# Allegro board A523-EVB-AXP717C-LPDDR4-4X-32X1-V1-0.brd (continued)
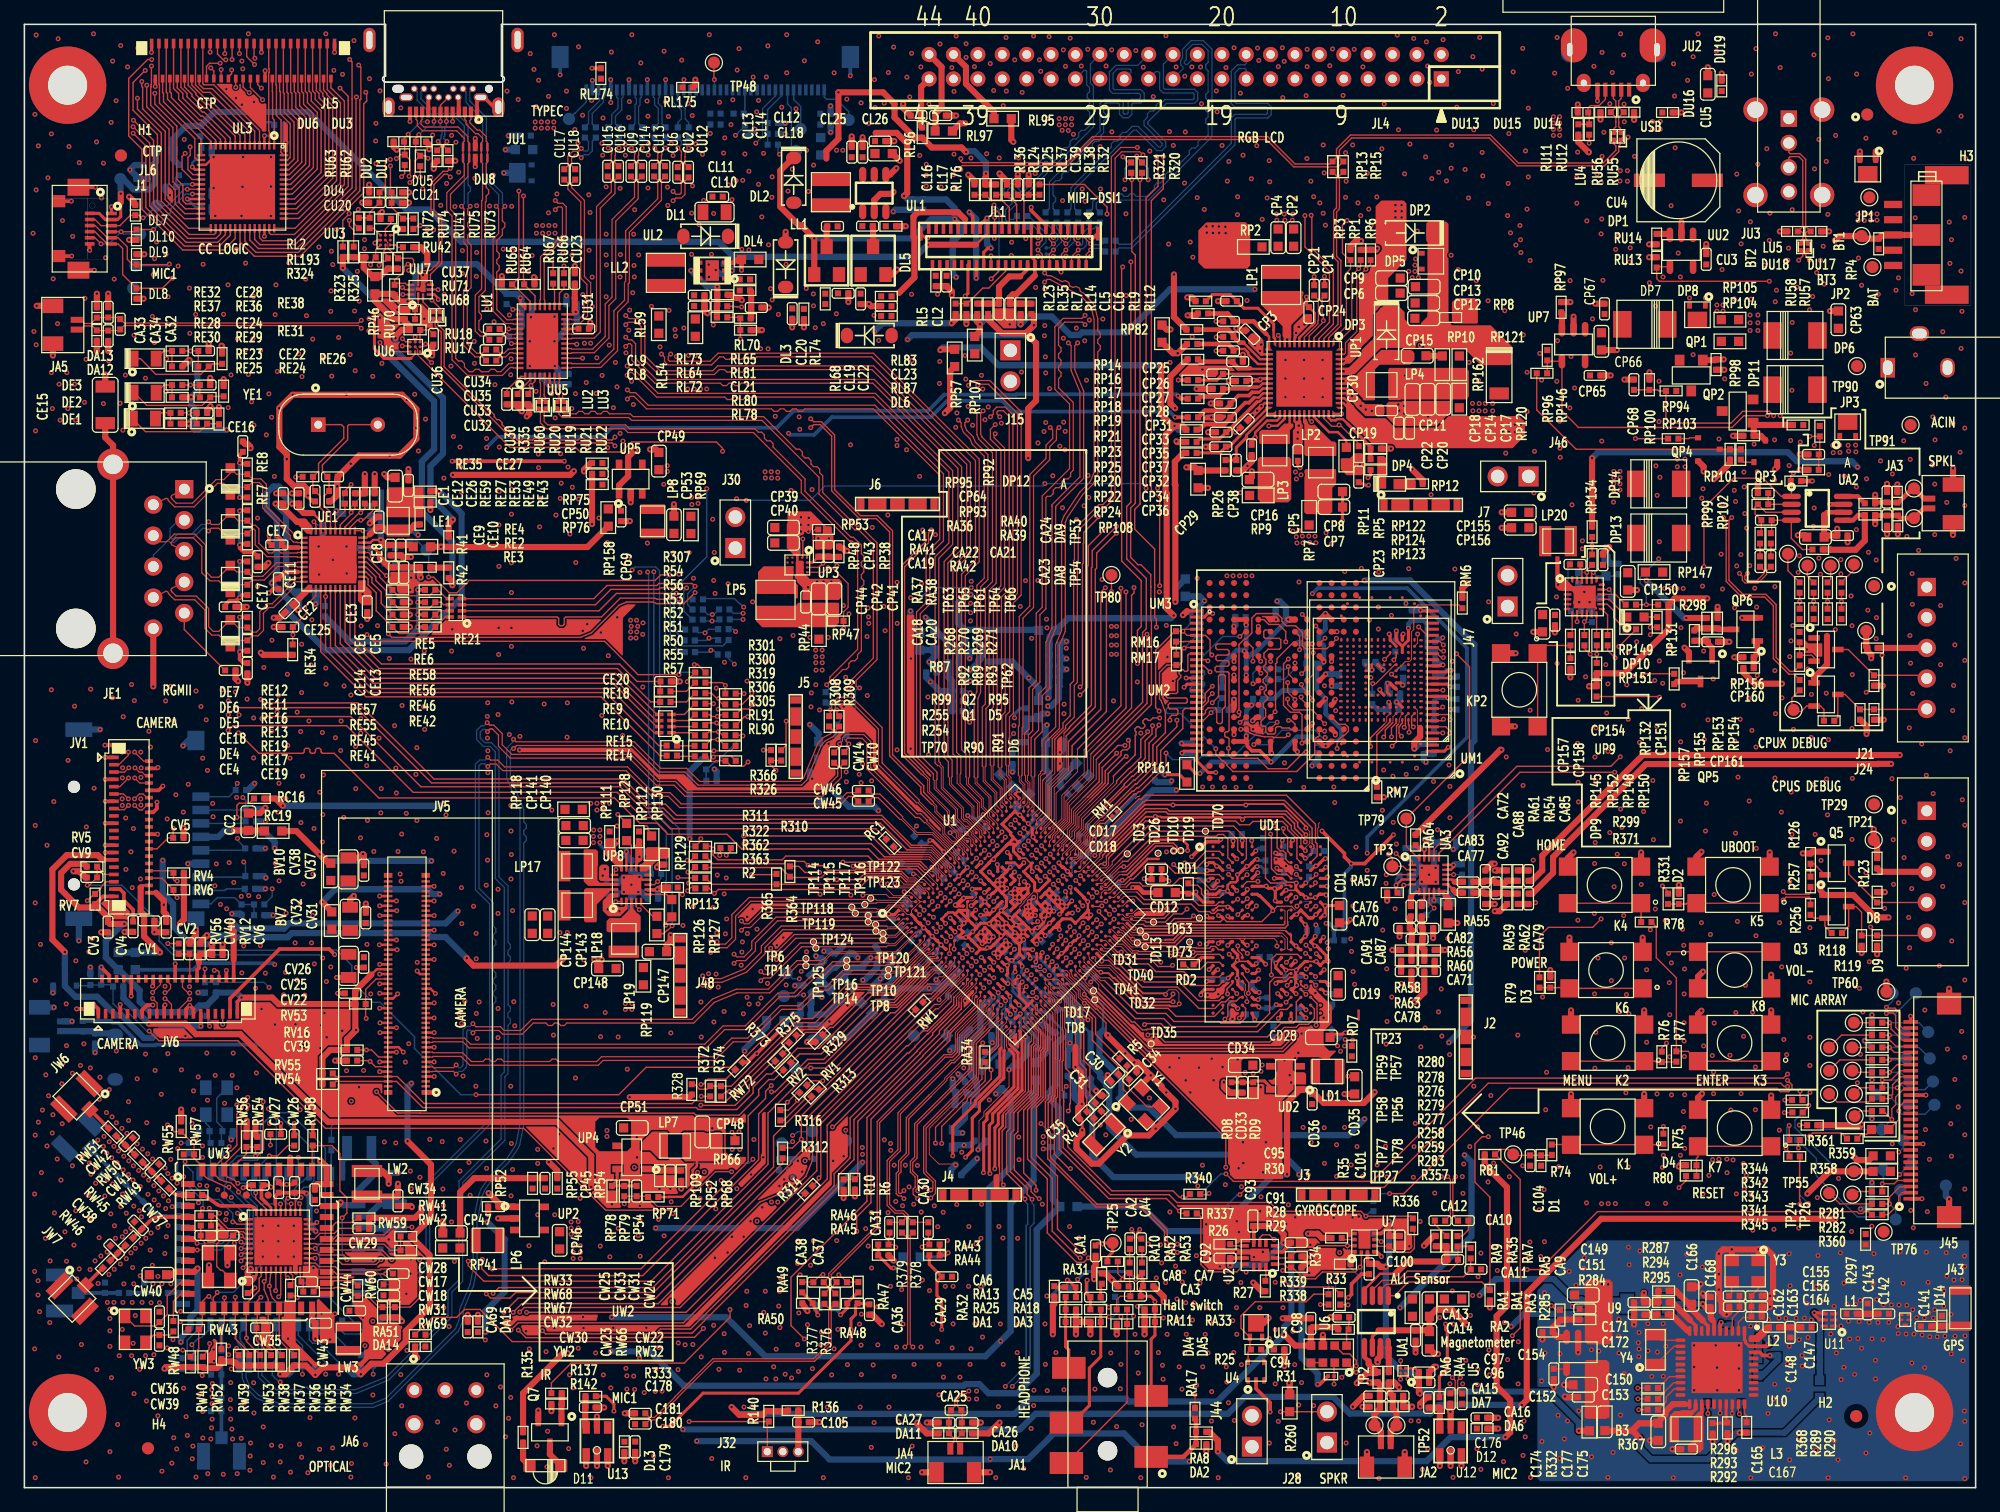
[diagram p0: board, top side]
## Routing (per net, layer and track width the routed paths; a pad name or vN(x,y) marks a point on that pad's centre or on a via; arc(x,y) is an arc through that point) (continued)
  L4 w0.508: v1(102.04,87.07) 100.66,87.07 99.72,86.13 v1(99.72,81.59)
  BOTTOM w0.076: 104.9,48.06 105.35,48.06 ; 100.41,50.6 100.03,50.6 ; 104.47,49.94 103.89,49.94 ; 98.98,50.62 98.87,50.62 98.87,50.62 98.61,50.62 98.61,50.62 98.48,50.62 ; 106.17,41.58 105.58,41.58 ; 104.75,40.77 105.36,40.77 ; 104.04,50.62 104.57,50.62 ; 100.86,50.09 101.38,50.09 ; 105.63,40.88 106.15,40.88
  BOTTOM w0.254: CD13.1 96.05,48.84 v1(96.06,48.85) ; v1(105.03,45.21) 105.17,45.35 CD2.1 105.17,46.04 v1(105.03,46.18) ; v1(102.62,43) 102.13,43.49 CD7.1 ; v1(102.52,49.12) 102.95,49.56 CD5.1 ; CD4.1 99.93,38.82 v1(99.62,38.51)
  vias: v1(96.61,57.45) v1(97.42,57.45) v1(98.41,57.43) v1(98.6,74.78) v1(99.11,74.78) v1(99.35,57.43) v1(99.64,74.78) v1(100.15,74.78) v1(100.55,57.45) v1(100.66,74.78)
DCICLK: length 52.6
  TOP w0.114: R365.2 61.61,50.27 v1(59.62,50.27) ; v1(45.29,93.77) 45.17,93.77 45.12,93.82 UU5.14
  L4 w0.114: v1(45.29,93.77) 45.22,93.7 45.22,90.72 49.61,86.33 49.61,84.82 50.19,84.25 50.19,77.57 51.99,75.76 52,75.76 52,61.08 59.62,53.46 v1(59.62,50.27)
DCIDATA: length 55.2
  TOP w0.114: v1(65.2,50.44) 64.01,50.44 63.5,50.95 R364.2 ; v1(45.77,92.62) UU5.11
  L4 w0.114: v1(65.2,50.44) 65.14,50.44 64.94,50.65 64.06,50.65 55.42,59.28 55.42,67.51 52.46,70.48 52.46,77.06 52.9,77.5 52.9,80.83 50.67,83.06 50.67,86.72 45.8,91.59 45.8,92.6 v1(45.77,92.62)
DCXO-XIN: length 12.4
  TOP w0.076: 86.79,39.18 86.75,39.18 86.09,39.83 86.09,40.17 86.09,40.36 85.22,41.23 85.22,41.58 U1.AH13
  TOP w0.102: Y1.1 90.41,32.38 90.09,32.69 90.09,33.32 89.7,33.72 C30.1
  TOP w0.114: 86.79,39.18 86.87,39.18 87.55,38.49 87.55,36.7 89.7,34.55 C30.1
DCXO-XOUT: length 8.1
  TOP w0.076: 87.12,39.24 87.01,39.35 86.78,39.35 86.25,39.89 86.25,40.56 U1.AJ13
  TOP w0.114: R5.1 87.83,37.17 87.83,38.53 87.12,39.24
DDR-PARA-SEL-ADC: length 25.7
  TOP w0.102: U1.W3 78.4,41.26 78.63,41.03 78.63,41.02 v1(78.66,40.98)
  L4 w0.076: v1(78.66,40.98) 77.69,40 77.69,39.23 76.35,37.9
  L4 w0.114: 76.35,37.9 76.35,37.82 68.12,29.58 68.12,29.02 67.16,28.07 63.3,28.07 v1(62.99,28.38)
  BOTTOM w0.114: v1(62.99,28.38) 62.86,28.24 TP45.1 61.88,28.03 R12.1 R8.2
DDR-PARA-SEL-GPIO: length 5.7
  TOP w0.114: v1(58.92,61.65) 58.86,61.7 R305.1
  BOTTOM w0.114: v1(58.92,61.65) 57.13,59.87 57.13,59.82 56.8,59.49 56.58,59.49 56.42,59.33 56.41,59.33 56.07,58.99 56.02,58.99 55.94,58.91 R7.1 55.91,57.98 R11.2
DM: length 1.6
  TOP w0.114: UU7.2 32.69,97.23 33.47,96.45 RU18.1
DMIC-CLK: length 16.9
  TOP w0.114: R282.2 v1(152.93,23.27) 152.93,23.83 153.8,24.69 J45.3
  BOTTOM w0.114: R282.2 v1(152.93,23.27) ; v1(152.93,23.27) 153.44,22.76 TP107.1 ; v1(152.93,23.27) 152.93,23.1 152.04,22.21 150.3,22.21 146.94,25.57 146.94,27 145.42,28.51 R351.2
DMIC-DATA0: length 15.1
  TOP w0.114: R281.2 v1(152.34,24.92) 153.31,24.92 153.59,25.19 J45.4
  BOTTOM w0.114: R352.2 145.18,30.14 145.18,29.53 148.65,26.06 TP106.1 152.43,25 v1(152.34,24.92) R281.2
DMIC-DATA1: length 12.2
  TOP w0.114: J45.19 154.1,32.69 153.44,32.03 153.44,31.39 153.13,31.08 v1(153.13,30.19) 152.43,30.89 R283.2
  BOTTOM w0.114: R353.2 147.39,29.36 TP101.1 v1(153.13,30.19) 152.43,30.89 R283.2
DMIC-DATA2: length 15.3
  TOP w0.114: R258.2 v1(152.34,33.43) 153.06,33.43 153.82,34.19 J45.22
  L3 w0.114: v1(146.42,32.41) 151.33,32.41 v1(152.34,33.43)
  BOTTOM w0.114: TP99.1 155.83,32.64 154.31,32.64 153.53,33.43 v1(152.34,33.43) ; v1(146.42,32.41) 146.41,32.41 R354.2
DMIC-DATA3: length 21.6
  TOP w0.114: J45.21 153.83,33.69 153.19,33.05 153.19,32.25 v1(152.98,32.05) 152.84,31.9 R259.2
  L3 w0.114: v1(146.28,23.3) 147.41,23.3 152,27.89 152,31.06 v1(152.98,32.05)
  BOTTOM w0.114: TP100.1 153.64,31.39 v1(152.98,32.05) ; R355.2 145.59,26.72 145.56,26.7 145.56,24.01 v1(146.28,23.3)
DP: length 4.4
  TOP w0.114: LU1.2 34.05,96.76 v1(33.43,97.38) ; UU7.10 v1(31.03,97.84)
  L4 w0.114: v1(31.03,97.84) 32.97,97.84 v1(33.43,97.38)
DSP-TMS: length 70.1
  TOP w0.114: v1(144.57,33.91) 144.43,33.76 144.42,33.76 144.24,33.59 118.99,33.59 110.52,25.11 99.14,25.11 v1(98.52,25.73) ; J45.27 153.99,36.69 153.06,37.62 153.06,38 v1(152.93,38.13) R280.2
  L3 w0.114: v1(152.93,38.13) 151.21,38.13 148.46,35.37 146.04,35.37 v1(144.57,33.91)
  BOTTOM w0.114: v1(98.52,25.73) 98.09,25.73 R350.2 ; TP94.1 155.35,38.13 v1(152.93,38.13) R280.2
EDP-AUXN: length 82.5
  TOP w0.076: 77.5,58.31 77.5,58.3 77.42,58.21 77.42,57.72 78.63,56.52 78.63,55.86 79.14,55.34 79.14,55.09 79.81,54.41 U1.C23
  TOP w0.102: 77.5,58.31 77.5,60.29 77.15,60.64 77.15,74.79 78.29,75.93 78.29,84.35 69.61,93.04 56.88,93.04 56.22,92.38 52.9,92.38 52.79,92.48 52.79,92.76 v1(52.99,92.96) ; CU12.1 54.17,108.59 54.17,109.13 54.18,109.15 54.18,109.57 v1(54.47,109.87)
  L4 w0.102: v1(54.47,109.87) 54.17,109.56 54.17,96.69 52.76,95.28 52.76,93.2 v1(52.99,92.96)
  BOTTOM w0.102: v1(54.47,109.87) 54.18,110.16 54.18,110.42 CL51.1
EDP-AUXP: length 82.6
  TOP w0.076: 77.2,58.31 77.2,58.27 77.26,58.21 77.26,57.66 78.47,56.45 78.47,55.79 78.98,55.28 78.98,55.03 79.46,54.55 U1.B23
  TOP w0.102: 77.2,58.31 77.2,60.17 76.85,60.52 76.85,74.91 77.99,76.05 77.99,84.22 69.48,92.73 60.04,92.73 59.84,92.53 59.54,92.53 59.34,92.73 59.03,92.73 58.83,92.53 58.53,92.53 58.32,92.73 58.02,92.73 57.82,92.53 57.51,92.53 57.31,92.73 57.01,92.73 56.35,92.08 52.77,92.08 52.49,92.35 52.49,92.71 v1(52.24,92.96) ; v1(53.58,109.87) 53.88,109.57 53.88,109.28 53.86,109.26 53.86,108.59 CU2.1
  L4 w0.102: v1(53.58,109.87) 53.89,109.56 53.89,96.8 52.48,95.39 52.48,93.2 v1(52.24,92.96)
  BOTTOM w0.102: v1(53.58,109.87) 53.88,110.16 53.88,110.42 CL50.1
EDP-BL-EN: length 39.2
  L3 w0.114: v1(59.97,110.26) 61.22,111.51 75.38,111.51 76.33,110.57 79.7,110.57 80.54,109.73 83.52,109.73 85.98,107.26 v1(90.25,107.26)
  BOTTOM w0.114: RL188.2 90.25,108.17 v1(90.25,107.26) ; JL2.32 61.58,114.14 60.53,113.09 60.53,110.82 v1(59.97,110.26)
EDP-BL-PWMI: length 34.6
  L3 w0.114: v1(61.93,109.35) 62.62,110.04 67.26,110.04 67.26,110.04 71.46,110.04 71.63,110.21 79.6,110.21 80.4,109.41 83.29,109.41 85.82,106.88 91.77,106.88 v1(92.15,107.26)
  BOTTOM w0.114: RL189.1 61.79,109.46 61.91,109.35 v1(61.93,109.35) ; RL187.2 92.15,108.17 v1(92.15,107.26)
EDP-HPD: length 116.3
  TOP w0.114: v1(80.43,53.35) 80.42,53.34 80.42,53.25 U1.E22 ; UU5.32 v1(39.71,95.02)
  L3 w0.114: v1(82.92,98.43) 82.6,98.74 82.6,98.88 80.87,100.61 76.05,100.61 75.59,100.15 73.13,100.15 72.64,100.63 63.32,100.63 62.92,101.04 59.87,101.04 v1(59.41,101.5) 57.69,103.23 45.26,103.23 43.88,101.84 40.43,101.84 v1(40.03,101.45)
  L4 w0.114: v1(59.41,101.5) 59.8,101.89 59.8,109.41 v1(58.31,110.9) ; v1(82.92,98.43) 82.6,98.11 82.6,96.36 82.15,95.91 82.15,86.09 83.21,85.03 83.21,83.99 80.48,81.26 80.48,62.34 79.82,61.68 79.82,53.63 80.1,53.35 v1(80.43,53.35) ; v1(40.03,101.45) 40.03,99.27 39.35,98.59 39.35,95.38 v1(39.71,95.02)
  BOTTOM w0.114: JL2.27 59.08,112.75 RL176.2 59,111.79 59.08,111.71 RL177.1 59.08,111.67 v1(58.31,110.9)
EDP-REXT: length 11
  TOP w0.114: v1(80.15,53.78) 80.15,53.69 79.82,53.35 U1.D22
  L4 w0.114: v1(81.11,61.84) 80.15,60.88 v1(80.15,53.78)
  BOTTOM w0.114: R21.2 81.02,60.68 80.72,60.98 80.72,61.45 v1(81.11,61.84)
EDP-TX0N: length 87.2
  TOP w0.076: U1.C19 78.4,53 77.79,53.61 77.79,53.81 77.36,54.24 77.16,54.24 76.5,54.9 76.5,55.64 74.76,57.39 74.76,57.99 74.83,58.07 74.83,58.08
  TOP w0.102: v1(51.68,109.87) 51.97,109.57 51.97,109.43 51.93,109.39 51.93,108.67 CU13.1 ; v1(49.44,90.03) 49.67,89.8 50.12,89.8 51.15,88.77 69.73,88.77 75.36,83.15 75.36,77.65 74.24,76.53 74.24,72.45 73.46,71.67 73.46,60.05 74.83,58.67 74.83,58.08
  L4 w0.102: v1(51.68,109.87) 51.98,109.56 51.98,96.68 51.41,96.1 51.41,90.54 50.66,89.79 49.68,89.79 v1(49.44,90.03)
  BOTTOM w0.102: CL48.1 51.97,110.42 51.97,110.16 v1(51.68,109.87)
EDP-TX0P: length 87.2
  TOP w0.076: 74.53,58.08 74.53,58.07 74.6,57.99 74.6,57.32 76.35,55.58 76.35,54.83 77.1,54.09 77.29,54.09 77.64,53.74 77.64,53.54 78.04,53.14 78.04,53.14 78.05,53.13 U1.B19
  TOP w0.102: CU6.1 52.24,108.67 52.24,109.26 52.28,109.3 52.28,109.57 v1(52.57,109.87) ; v1(49.44,89.27) 49.67,89.5 49.99,89.5 51.02,88.47 61.27,88.47 61.47,88.27 61.77,88.27 61.97,88.47 62.28,88.47 62.48,88.27 62.78,88.27 62.98,88.47 63.29,88.47 63.49,88.27 63.79,88.27 63.99,88.47 69.61,88.47 75.05,83.02 75.05,77.77 73.93,76.65 73.93,72.58 73.15,71.8 73.15,59.92 74.53,58.54 74.53,58.08
  L4 w0.102: v1(52.57,109.87) 52.26,109.56 52.26,96.56 51.69,95.99 51.69,90.42 50.77,89.51 49.68,89.51 v1(49.44,89.27)
  BOTTOM w0.102: CL49.1 52.28,110.42 52.28,110.16 v1(52.57,109.87)
EDP-TX1N: length 85.4
  TOP w0.076: U1.B20 78.31,53.45 78.31,53.8 78.13,53.98 78.1,53.98 77.28,54.8 77.12,54.8 76.99,54.93 76.99,55.75 75.34,57.4 75.34,59.09 75.11,59.31 75.11,59.42 75.1,59.43
  TOP w0.102: 75.1,59.43 74.98,59.55 74.98,76.21 76.11,77.35 76.11,83.41 69.78,89.74 51.96,89.74 49.94,91.76 49.65,91.76 v1(49.42,91.98) ; v1(49.77,109.87) 50.07,109.57 50.07,109.38 50.03,109.34 50.03,108.67 CU9.1
  L4 w0.102: v1(49.77,109.87) 50.05,109.59 50.05,108.64 49.31,107.9 49.31,99.09 50.72,97.67 50.72,92.11 50.35,91.75 49.66,91.75 v1(49.42,91.98)
  BOTTOM w0.102: CL46.1 50.07,110.42 50.07,110.16 v1(49.77,109.87)
EDP-TX1P: length 85.4
  TOP w0.076: U1.A20 78.05,53.81 77.21,54.65 77.05,54.65 76.84,54.86 76.84,55.68 75.18,57.34 75.18,59.02 75,59.2 74.9,59.2 74.88,59.22
  TOP w0.102: v1(49.42,91.23) 49.65,91.45 49.81,91.45 51.83,89.43 57.43,89.43 57.63,89.23 57.94,89.23 58.14,89.43 58.44,89.43 58.65,89.23 58.95,89.23 59.15,89.43 69.65,89.43 75.81,83.28 75.81,77.47 74.67,76.34 74.67,59.43 74.88,59.22 ; v1(50.66,109.87) 50.37,109.57 50.37,109.25 50.33,109.21 50.33,108.67 CU14.1
  L4 w0.102: v1(50.66,109.87) 50.33,109.53 50.33,108.53 49.59,107.79 49.59,99.2 51,97.79 51,92 50.47,91.47 49.66,91.47 v1(49.42,91.23)
  BOTTOM w0.102: v1(50.66,109.87) 50.37,110.16 50.37,110.42 CL47.1
EDP-TX2N: length 85.2
  TOP w0.076: 76.07,58.33 76.07,58.29 76.01,58.23 76.01,57.71 77.86,55.86 77.86,54.93 78.81,53.97 78.81,53.96 78.81,53.96 78.86,53.96 79.11,53.71 U1.C21
  TOP w0.102: v1(49.31,94.35) 49.54,94.12 49.81,94.12 50.11,93.81 50.11,92.59 51.82,90.88 69.69,90.88 76.85,83.72 76.85,76.95 75.72,75.83 75.72,60.01 76.07,59.66 76.07,58.33 ; CU15.1 48.12,108.67 48.12,109.34 48.16,109.38 48.16,109.57 v1(47.87,109.87)
  L4 w0.102: v1(49.31,94.35) 49.55,94.11 49.87,94.11 50.01,94.25 50.01,96.79 48.17,98.62 48.17,109.56 v1(47.87,109.87)
  BOTTOM w0.102: v1(47.87,109.87) 48.16,110.16 48.16,110.42 CL44.1
EDP-TX2P: length 85.2
  TOP w0.076: 75.77,58.33 75.77,58.32 75.85,58.23 75.85,57.65 77.7,55.8 77.7,54.86 78.66,53.91 78.66,53.89 78.75,53.8 U1.B21
  TOP w0.102: 75.77,58.33 75.77,59.54 75.42,59.88 75.42,75.95 76.55,77.08 76.55,83.59 69.56,90.58 59.79,90.58 59.59,90.38 59.29,90.38 59.09,90.58 58.78,90.58 58.58,90.38 58.28,90.38 58.08,90.58 57.77,90.58 57.57,90.38 57.27,90.38 57.07,90.58 51.7,90.58 49.81,92.46 49.81,93.69 49.68,93.81 49.54,93.81 v1(49.31,93.59) ; v1(48.76,109.87) 48.47,109.57 48.47,109.25 48.43,109.21 48.43,108.67 CU16.1
  L4 w0.102: v1(48.76,109.87) 48.45,109.56 48.45,98.74 50.29,96.9 50.29,94.13 49.99,93.83 49.55,93.83 v1(49.31,93.59)
  BOTTOM w0.102: v1(48.76,109.87) 48.47,110.16 48.47,110.42 CL45.1
EDP-TX3N: length 87.8
  TOP w0.076: 76.79,58.57 76.72,58.51 76.72,57.76 78.3,56.18 78.3,55.05 78.68,54.66 78.86,54.66 79,54.52 79,54.3 79.11,54.2 U1.B22
  TOP w0.102: CU17.1 44.56,108.41 44.56,109.18 44.98,109.6 45.44,109.6 v1(45.66,109.82) ; 76.79,58.57 76.79,59.95 76.44,60.3 76.44,75.43 77.57,76.56 77.57,84.05 69.63,91.99 56.85,91.99 56.45,91.59 52.12,91.59 50.88,92.84 50.88,95.35 50.36,95.87 49.56,95.87 v1(49.31,96.12)
  L4 w0.102: v1(45.66,109.82) 45.9,109.59 46.43,109.59 47.22,108.8 47.22,96.59 47.93,95.89 49.07,95.89 v1(49.31,96.12)
  BOTTOM w0.102: v1(45.66,109.82) 45.87,109.61 46.13,109.61 46.26,109.74 46.26,110.42 CL42.1
EDP-TX3P: length 87.1
  TOP w0.076: 76.48,58.57 76.48,57.78 78.15,56.12 78.15,54.98 78.71,54.41 U1.A22
  TOP w0.102: v1(45.66,109.07) 45.44,109.29 45.11,109.29 44.87,109.05 44.87,108.41 CU18.1 ; v1(49.31,95.37) 49.51,95.57 50.23,95.57 50.57,95.23 50.57,92.71 51.99,91.29 56.58,91.29 56.98,91.69 57.4,91.69 57.6,91.49 57.91,91.49 58.11,91.69 58.41,91.69 58.61,91.49 58.92,91.49 59.12,91.69 69.5,91.69 77.27,83.92 77.27,76.68 76.14,75.55 76.14,60.17 76.48,59.83 76.48,58.57
  L4 w0.102: v1(45.66,109.07) 45.9,109.31 46.32,109.31 46.94,108.68 46.94,96.48 47.81,95.61 49.07,95.61 v1(49.31,95.37)
  BOTTOM w0.102: v1(45.66,109.07) 45.9,109.31 46.26,109.31 46.56,109.61 46.56,110.42 CL43.1
EDPAUXN: length 22.4
  TOP w0.102: v1(53.19,105.54) 53.42,105.77 53.87,105.77 54.17,106.06 54.17,107.16 CU12.2 ; UU5.25 42.27,97.39 42.32,97.44 42.32,100.94 44.12,102.74 44.12,104.93 44.02,105.03 43.76,105.03 v1(43.54,104.8)
  L3 w0.102: v1(53.19,105.54) 52.95,105.78 49.84,105.78 49.1,105.04 43.77,105.04 v1(43.54,104.8)
EDPAUXP: length 22.4
  TOP w0.102: v1(53.19,106.3) 53.42,106.07 53.75,106.07 53.86,106.18 53.86,107.16 CU2.2 ; UU5.24 42.67,97.39 42.62,97.44 42.62,100.81 44.42,102.62 44.42,105.05 44.14,105.33 43.76,105.33 v1(43.54,105.56)
  L3 w0.102: v1(53.19,106.3) 52.95,106.06 49.72,106.06 48.98,105.32 43.77,105.32 v1(43.54,105.56)
EDPTX0N: length 20.3
  TOP w0.102: CU13.2 51.93,107.23 51.93,105.7 49.3,103.07 49.3,98.93 49.21,98.84 49.21,97.38 48.34,96.51 48.34,93.37 47.14,92.17 44.9,92.17 44.85,92.22 UU5.10
EDPTX0P: length 20.8
  TOP w0.102: UU5.9 44.85,91.82 44.9,91.87 47.27,91.87 48.64,93.24 48.64,96.38 49.51,97.25 49.51,98.71 49.61,98.81 49.61,102.95 52.24,105.58 52.24,107.23 CU6.2
EDPTX1N: length 18
  TOP w0.102: UU5.13 44.85,93.42 44.9,93.37 46.59,93.37 47.62,94.4 47.62,97.07 48.18,97.63 48.18,103.99 50.03,105.83 50.03,107.23 CU9.2
EDPTX1P: length 18.5
  TOP w0.102: UU5.12 44.85,93.02 44.9,93.07 46.72,93.07 47.93,94.28 47.93,96.94 48.49,97.5 48.49,103.86 50.33,105.7 50.33,107.23 CU14.2
EDPTX2N: length 16
  TOP w0.102: CU15.2 48.12,107.23 48.12,106.26 46.91,105.05 46.91,94.89 46.59,94.57 44.9,94.57 44.85,94.62 UU5.16
EDPTX2P: length 16.5
  TOP w0.102: CU16.2 48.43,107.23 48.43,106.13 47.22,104.93 47.22,94.77 46.72,94.27 44.9,94.27 44.85,94.22 UU5.15
EDPTX3N: length 13.7
  TOP w0.102: UU5.19 44.85,95.82 44.9,95.77 45.43,95.77 45.87,96.22 45.87,97.28 46.13,97.54 46.13,98.68 45.62,99.19 45.62,105.44 44.56,106.49 44.56,106.98 CU17.2
EDPTX3P: length 14.2
  TOP w0.102: CU18.2 44.87,106.98 44.87,106.62 45.92,105.56 45.92,99.31 46.43,98.8 46.43,97.41 46.18,97.16 46.18,96.09 45.55,95.47 44.9,95.47 44.85,95.42 UU5.18
EINT-HAL: length 12.1
  TOP w0.114: R339.1 105.73,15.86 105.11,15.24 100.91,15.24 99.76,14.08 99.76,13.06 U3.2 100.49,11.4 R25.1 100.34,11.1 U4.5
EPHY-CLK-25M: length 58
  TOP w0.114: RE35.1 22.27,82.9 v1(22.24,82.87)
  L3 w0.114: v1(25.5,61.5) 24.28,62.72 24.28,72.97 22.43,74.83 22.43,82.68 v1(22.24,82.87)
  L4 w0.114: v1(54.46,49.57) 53.97,50.07 53.97,50.2 53.74,50.43 53.42,50.43 53.41,50.42 51.75,50.42 51.27,50.9 49.24,50.9 48.32,51.82 42.49,51.82 41.37,52.94 35.63,52.94 27.07,61.5 v1(25.5,61.5)
  BOTTOM w0.114: R59.2 54.59,49.57 v1(54.46,49.57)
ETA6973-NCE: length 108.2
  TOP w0.114: RP152.2 127.91,68.83 v1(128.4,68.35) ; R322.1 54.66,51.44 v1(54.35,51.44)
  L3 w0.114: v1(54.35,51.44) 54.35,51.56 53.96,51.95 53.96,63.85 56.8,66.69 56.8,71.78 58.37,73.35 58.37,73.35 58.38,73.36 59.78,73.36 60.68,74.26 64.52,74.26 64.99,73.79 68.05,73.79 71.73,77.47 89.81,77.47 91.22,78.87 106.95,78.87 108.48,77.34 127.4,77.34 v1(127.75,76.99)
  L4 w0.114: v1(127.75,76.99) 129.46,75.28 129.46,74.37 129.16,74.07 129.16,69.6 128.4,68.83 v1(128.4,68.35)
ETA6973-NINT: length 112.3
  TOP w0.114: R2.1 54.93,49.23 54.67,49.23 v1(54.39,48.94) ; RP148.2 v1(128.93,68.35) R299.2
  L3 w0.114: v1(127.76,77.65) 127.73,77.67 108.61,77.67 107.09,79.19 91.08,79.19 89.67,77.79 71.59,77.79 68.48,74.68 60.66,74.68 59.66,73.69 58.24,73.69 56.65,72.1 56.37,72.1 55.45,71.17 55.45,65.79 53.64,63.98 53.64,51.82 53.96,51.51 53.96,49.37 v1(54.39,48.94)
  L4 w0.114: v1(127.76,77.65) 128.12,77.28 128.12,77.11 129.87,75.36 129.87,74.24 129.57,73.94 129.57,68.99 v1(128.93,68.35)
ETA6973-NPG: length 91.7
  TOP w0.114: RP149.2 v1(132.99,72.42) R298.2 ; v1(62.47,62.86) 62.46,62.84 62.46,60.88 R326.1
  L3 w0.114: v1(134.01,76.17) 127.61,76.17 127.47,76.31 127.47,76.31 127.12,76.66 104.17,76.66 102.63,78.19 91.45,78.19 90.07,76.81 71.98,76.81 68.29,73.13 65.94,73.13 63.03,70.22 v1(63.03,69.88)
  L4 w0.114: v1(62.47,62.86) 63.03,63.42 v1(63.03,69.88)
  BOTTOM w0.114: v1(132.99,72.42) 132.99,73.68 132.49,74.18 132.49,74.65 v1(134.01,76.17)
ETA6973-PMID: length 2.9
  TOP w0.114: v1(128.65,75.06) 128.51,74.92 UP9.20
  BOTTOM w0.114: CP153.1 130.41,74.91 130.25,74.75 CP152.1 128.95,74.75 v1(128.65,75.06)
ETA6973-SYS: length 9.3
  TOP w0.114: RP131.1 v1(133.32,70.55)
  L3 w0.114: v1(133.32,70.55) 132.09,71.78 126.9,71.78 v1(125.63,73.05)
EXT-DCDC1: length 8.8
  TOP w0.254: v1(81.59,48.05) v1(81.23,48.4) ; v1(81.59,48.05) 81.59,48.06 U1.P18 ; v1(81.59,48.05) U1.P16 ; v1(81.23,48.4) U1.N18 ; v1(81.23,48.4) v1(80.87,48.76) v1(81.23,49.12) ; v1(81.23,48.4) U1.N16 U1.P16 ; U1.P18 U1.P19 82.29,49.34 ; U1.P18 U1.N18 ; 82.29,49.34 v1(82.31,49.36) 81.99,49.68 v1(81.99,49.7) ; 82.29,49.34 82.07,49.11 U1.N19 ; U1.N19 U1.N18 ; U1.N19 81.93,49.12 v1(81.23,49.12) ; U1.N18 v1(81.23,49.12) ; U1.P16 U1.P15
  vias: v1(46.44,56.12) v1(46.94,56.12) v1(46.95,55.57) v1(47.45,56.12) v1(47.48,55.57) v1(47.99,56.12) v1(49.71,71.14) v1(49.71,70.18) v1(49.71,69.67) v1(49.76,70.63) v1(50.14,69.67) v1(50.2,71.14) v1(50.21,70.18) v1(50.29,70.63) v1(50.72,70.92) v1(50.7,69.98) v1(64.41,69.72) v1(64.88,68.69) v1(64.89,68.14) v1(64.89,67.65) v1(64.91,67.05) v1(65.42,68.69) v1(65.42,68.14) v1(65.42,67.65) v1(65.42,67.05) v1(65.91,69.72)
EXT-DCDC2: length 30.3
  TOP w0.203: 19.9,23.28 20.22,22.96 UW2.37
  TOP w0.305: 19.9,23.28 19.44,23.74 19.44,24.65 CW25.1 20.06,24.8 v1(20.22,24.64)
  TOP w0.508: v1(14.2,17.97) 13.92,17.69 UW3.9 12.36,17.69 12.12,17.46 CW40.1
  L3 w0.508: v1(20.22,24.64) 20.22,23.26 20.79,22.69 v1(23.95,22.69)
  L4 w0.508: v1(28.57,13.64) 28.57,13.97 27.69,14.86 27.69,19.3 27.2,19.79 27.2,21.77 26.62,22.35 26.62,22.36 26.29,22.68 26.29,22.68 26.29,22.69 v1(23.95,22.69)
  BOTTOM w0.508: v1(14.2,17.97) 14.2,14.54 13.61,13.95 13.61,13.08 12.83,12.29 v1(12.83,11.93)
  vias: v1(33.89,14.76) v1(34.39,14.76)
EXT-DCDC3: length 5.7
  TOP w0.203: v1(58.01,29.13) 58.26,28.88 RP66.2
  TOP w0.254: U1.U10 80.46,44.81 v1(80.46,44.87) v1(80.81,44.52) 80.81,44.45 U1.V10 ; U1.U10 U1.V10 ; U1.U10 79.82,44.16 ; 79.82,44.16 U1.U9 ; 79.82,44.16 U1.V9 ; 79.82,44.16 v1(79.49,43.84) v1(79.85,43.48) 79.85,43.49 U1.V9 ; U1.V10 U1.V9
  vias: v1(49.28,39.7) v1(49.28,39.21) v1(49.81,39.7) v1(49.81,39.21) v1(58.04,27.74) v1(58.6,29.18) v1(58.67,27.74)
EXT-DCDC4:
  vias: v1(54.39,90.09) v1(54.71,81.22) v1(54.73,80.63) v1(54.92,90.09) v1(55.21,81.22) v1(55.24,80.72) v1(55.44,90.11) v1(55.95,90.1) v1(77.14,92.85)
FEL: length 124.5
  TOP w0.114: R331.1 134.77,48.88 v1(134.32,49.34) ; v1(134.07,64.83) 134.02,64.88 R371.2 ; v1(76.98,49.77) 76.94,49.77 76.63,49.46 U1.E12
  L3 w0.114: v1(67.61,71.65) 67.89,71.65 72.4,76.16 90.34,76.16 91.73,77.56 102.35,77.56 103.95,75.96 121.86,75.96 132.94,64.88 134.02,64.88 v1(134.07,64.83)
  L4 w0.076: v1(76.98,49.77) 76.53,49.77 75.45,50.86 74.96,50.86 74.25,51.56
  L4 w0.114: v1(134.32,49.34) 134.32,64.58 v1(134.07,64.83) ; 74.25,51.56 73.26,51.56 67.79,57.03 67.79,59.51 69.48,61.19 69.48,66.92 67.61,68.78 v1(67.61,71.65)
GPADC2: length 24.7
  TOP w0.114: v1(79.13,41.45) 78.89,41.69 U1.W4
  L4 w0.114: v1(62.99,28.89) 63.04,28.94 64.57,28.94 64.96,28.55 67.11,28.55 67.78,29.23 67.78,29.7 77.49,39.41 77.49,40.28 78.56,41.35 79.03,41.35 v1(79.13,41.45)
  BOTTOM w0.114: v1(62.99,28.89) 63.1,28.89 63.4,29.18 64.57,29.18 TP74.1
GPADC3: length 19.5
  TOP w0.102: v1(79.49,41.81) 79.47,41.79 79.45,41.79 79.44,41.78 79.36,41.78 U1.W5
  L4 w0.076: v1(79.49,41.81) 78.82,41.81 78.6,41.59 78.25,41.59 76.78,40.13
  L4 w0.114: v1(67.34,29.3) 67.34,29.86 67.53,30.04 67.65,30.15 76.78,39.28 76.78,40.13
  BOTTOM w0.114: TP75.1 67.39,28.96 67.35,28.99 67.35,29.29 v1(67.34,29.3)
GPS-3V3: length 44.9
  TOP w0.305: 136.15,6.85 U10.21
  TOP w0.508: v1(139.65,3.81) R289.1 ; v1(132.47,4.06) 131.83,4.7 ; 131.83,4.7 131.82,4.68 B3.2 ; 131.83,4.7 132.42,5.28 C165.1 133.97,5.41 134.56,5.99 134.56,6.24 135.17,6.85 136.15,6.85 ; v1(132.81,15.99) 132.78,15.96 132.78,15.24 C171.1 132.84,15.21 133.96,15.21 R294.1 133.98,16.13 R287.1 ; R290.1 v1(140.64,4.51)
  L4 w0.508: v1(132.81,15.99) 132.81,15.93 131.35,14.47 131.35,10.28 133.29,8.34 133.29,4.88 v1(132.47,4.06)
  BOTTOM w0.508: B1.2 144.33,4.51 v1(140.64,4.51) 140.35,4.51 v1(139.65,3.81) 139.52,3.81 138.04,2.33 133.37,2.33 132.47,3.24 v1(132.47,4.06)
GPS-GND: length 37.6
  TOP w0.203: U10.28 v1(140.04,6.08) ; U10.26 v1(139.04,6.1)
  TOP w0.508: v1(137.45,16.7) 137.22,16.47 C166.1 ; R368.1 v1(138.43,3.78) ; C168.2 138.05,15.64 137.91,15.78 137.77,15.78 v1(137.62,15.92) ; v1(133.29,3.86) 133.41,3.86 C165.2 ; v1(142.2,19.54) 142.88,19.54 143.39,19.03 143.39,15.98 v1(143.13,15.73) ; v1(142.2,19.54) Y3.1 ; v1(142.2,19.54) v1(140,19.54) ; Y3.2 v1(140,19.54) ; v1(140,19.54) 139.3,19.54 v1(138.94,19.18) v1(138.94,17.51) v1(138.94,16.24) 138.94,15.98 139.07,15.86 139.07,15.35 139.18,15.24 139.18,14.44 139.39,14.23 139.54,14.23 v1(139.58,14.2) 139.79,14.41 C163.1 ; C164.1 142.46,14.84 C156.2 v1(143.13,14.84) v1(143.13,15.73) ; v1(143.13,15.73) C155.2 ; v1(127.4,11.09) U9.2 ; v1(126.31,7.48) 126.37,7.42 C153.2 ; v1(131.99,13.37) C172.2 131.99,15.17 C171.2 ; C154.2 v1(124.48,12.15) ; C150.2 v1(126.25,8.44) ; C152.2 v1(125.41,8.23) ; C167.1 v1(135.13,3.16)
  BOTTOM w0.508: v1(138.81,7.98) 138.86,7.94 C170.2 138.86,6.29 v1(139.04,6.1) ; v1(145.79,9.97) 146.32,9.97 C146.2 ; v1(145.77,10.84) 145.8,10.8 146.32,10.8 C145.2 ; C144.2 146.32,11.69 145.96,11.69 v1(145.52,12.14) ; v1(140.59,11.67) 139.83,12.43 C169.2 ; v1(140.04,6.08) 139.91,6.21 R291.1 ; C159.1 144.66,10.8 144.59,10.73 144.59,10.19 v1(144.57,10.16)
  vias: v1(124.41,8.74) v1(124.43,3.79) v1(124.65,15.96) v1(124.68,11.05) v1(125.76,5.93) v1(125.92,10.99) v1(125.89,2.39) v1(126.27,3.99) v1(126.53,5.46) v1(126.67,17.73) v1(126.93,14.85) v1(127.23,16.6) v1(127.45,6.3) v1(127.91,18.86) v1(127.86,17.98) v1(128.49,11.31) v1(128.51,2.51) v1(129.1,11.19) v1(129.84,0.84) v1(130.26,2.88) v1(130.74,13.81) v1(130.73,12.4) v1(130.75,11.05) v1(130.87,5.94) v1(131.18,9.34) v1(131.53,19.71) v1(131.59,18.28) v1(132.33,11.88) v1(132.4,12.72) v1(132.39,11.36) v1(132.37,10.75) v1(132.43,10.03) v1(132.47,19.42) v1(133.11,13.44) v1(133.13,11.22) v1(133.44,9.11) v1(133.61,17.05) v1(133.9,11.11) v1(134.38,13.45) v1(134.38,9.12) v1(134.58,11.59) v1(135.2,0.81) v1(135.75,17.46) v1(136.32,19.13) v1(136.91,11.67) v1(136.91,9.89) v1(136.91,7.98) v1(137.58,18.09) v1(138.69,11.67) v1(138.79,9.85) v1(140.36,3.08) v1(140.59,9.76) v1(140.59,7.98) v1(141.56,13.24) v1(141.55,0.81) v1(142.13,13.39) v1(142.52,3.28) v1(143.01,13.77) v1(142.97,6.07) v1(143.42,7.28) v1(143.52,8.48) v1(143.65,12.32) v1(143.87,13.9) v1(144.26,6.85) v1(144.44,13.89) v1(144.65,8.03) v1(144.71,19.18) v1(144.72,11.61) v1(144.74,2.28) v1(144.79,16.55) v1(145.29,13.89) v1(145.53,4.12) v1(145.95,13.91) v1(146.18,15.1) v1(146.25,12.32) v1(146.52,13.76) v1(146.93,16.49) v1(146.9,3.06) v1(147.07,19.04) v1(147.9,0.81) v1(147.99,5.56) v1(148.11,12.59) v1(148.4,14.87) v1(148.4,3.84) v1(148.58,11.05) v1(148.71,2.29) v1(148.9,19.27) v1(148.96,13.25) v1(148.97,8.86) v1(149.19,16.78) v1(149.19,9.87) v1(149.43,15.04) v1(149.57,13.65) v1(149.67,12.19) v1(150.08,9.28) v1(150.16,15.02) v1(150.33,12.23) v1(150.45,13.62) v1(150.53,15.36) v1(150.65,11.42) v1(151.01,2.84) v1(151.27,13.55) v1(151.32,4.47) v1(151.5,12.2) v1(151.59,16.74) v1(151.66,19.18) v1(151.78,10.44) v1(151.79,8.92) v1(151.88,15.43) v1(151.99,13.55) v1(152.43,14.99) v1(152.4,12.15) v1(152.87,13.55) v1(153.09,14.98) v1(153.63,13.2) v1(153.71,14.98) v1(153.65,12.64) v1(153.82,19.37) v1(154.04,16.76) v1(154.35,14.96) v1(154.3,12.6) v1(154.25,0.81) v1(154.84,14.59) v1(154.76,10.22) v1(154.94,12.59) v1(155.16,13.95) v1(155.62,12.52) v1(155.79,13.91) v1(155.82,9.85) v1(155.96,19.31) v1(156.1,16.84) v1(156.16,14.35) v1(156.23,12.38) v1(156.53,13.92) v1(156.64,14.59) v1(156.85,12.37) v1(157.42,16.13) v1(157.38,14.88) v1(157.47,12.43) v1(157.59,19.27) v1(157.63,17.35) v1(157.98,14.21) v1(158.01,10.98) v1(158.22,17.03) v1(158.32,12.42) v1(158.76,3.6) v1(158.88,17.05) v1(158.96,10.41) v1(159.08,18.98) v1(159.11,18.14) v1(159.13,12.45) v1(159.08,6.28) v1(159.11,5.44) v1(159.11,0.74)
GS-INT: length 5.3
  TOP w0.114: R336.1 113.98,21.1 113.98,19.62 113.65,19.29 112.41,19.29 R35.1 111,19.79 110.96,19.84 U7.5
GYRO-INT1: length 8.5
  TOP w0.114: R337.1 96.21,22.48 96.47,22.23 96.47,18.3 97.07,17.7 99.42,17.7 U2.4
GYRO-INT2: length 10.7
  TOP w0.114: U2.9 101.3,20.51 101.53,20.73 102.1,20.73 v1(102.47,20.36) ; v1(103.33,16.97) 103.84,16.45 107.3,16.45 R338.1
  L4 w0.114: v1(102.47,20.36) 102.39,20.27 102.39,17.91 v1(103.33,16.97)
HBIAS: length 33.9
  TOP w0.076: 80.37,35.84 80.37,37.29 80.88,37.8 U1.AG2
  TOP w0.254: 80.37,35.84 80.31,35.79 80.31,33.6 78.31,31.6 78.31,30.89 77.72,30.3 77.72,27.65 v1(77.17,27.09) ; CA1.1 88.02,20.04 88.37,20.04 v1(88.43,19.99) 88.5,20.07 TP25.1 89.23,19.3 88.81,18.88 RA10.2
  L3 w0.254: v1(78.03,19.99) v1(88.43,19.99)
  L4 w0.254: v1(77.17,27.09) 76.91,26.83 76.91,21.11 v1(78.03,19.99)
HP-DET: length 53.9
  TOP w0.076: U1.AF2 80.52,38.15 79.89,37.51
  TOP w0.102: v1(75.22,28.22) 75.22,29.62 77.32,31.72 77.32,31.9 78.78,33.37 78.78,34.24 79.13,34.59 79.13,35.47 79.89,36.22 79.89,37.51 ; v1(95.99,7.62) RA17.1
  L3 w0.102: v1(76.71,9.06) 76.72,9.05 85.35,9.05 87.44,6.96 95.33,6.96 v1(95.99,7.62)
  L4 w0.102: v1(76.71,9.06) 76.71,20.21 76.03,20.9 76.03,24.67 75.01,25.68 75.01,28.02 v1(75.22,28.22)
HPOUTFB: length 43.4
  TOP w0.076: U1.AH2 81.23,37.44 80.67,36.89 80.67,36.47 80.82,36.33
  TOP w0.254: JA1.3 92.39,12.18 92.7,12.49 DA5.2 RA33.2 v1(92.7,15.24) 92.7,15.35 92.35,15.7 CA3.2 91.53,16.32 CA7.1 91.73,17.05 91.64,17.13 RA53.2 v1(91.13,17.1) ; 80.82,36.33 81.47,35.67 81.47,32.73 79.4,30.66 79.4,29.98 79.12,29.71 79.12,25.81 v1(79.17,25.76)
  L4 w0.254: v1(86.36,17.08) 86.15,17.08 79.12,24.11 79.12,25.7 v1(79.17,25.76)
  BOTTOM w0.254: RA33.2 v1(92.7,15.24) ; v1(86.36,17.08) 87,17.72 90.52,17.72 v1(91.13,17.1)
HPOUTFB-C: length 147.4
  TOP w0.114: UU6.A2 32.04,92.96 31.71,92.63
  TOP w0.254: 31.71,92.63 31.68,92.6 29.49,92.6 28.7,93.4 28.7,96.4 v1(28.74,96.43)
  L3 w0.254: v1(91.27,14.86) 90.88,15.25 70.81,15.25 66.73,19.33 62.17,19.33 60.73,17.9 44.58,17.9 41.2,21.28 41.2,58.6 41.53,58.93 41.53,63.47 40.91,64.1 40.91,86.83 35.99,91.74 35.99,94.14 31.24,98.89 30.79,98.89 28.74,96.84 v1(28.74,96.43)
  BOTTOM w0.254: v1(91.27,14.86) 91.59,14.86 RU78.2
